# Altium PCB Napelemes_inverter.PcbDoc (part 1 of 3)
Units mil, origin at the board's own origin, x right, y up, seen from the top; angles counter-clockwise.
Board outline 11440 x 4760 mil, 2 copper layers (Top Layer, Bottom Layer); 247 components, 166 nets, 771 pads, 552 vias.
Unrouted connection lines stored in the file: 2.
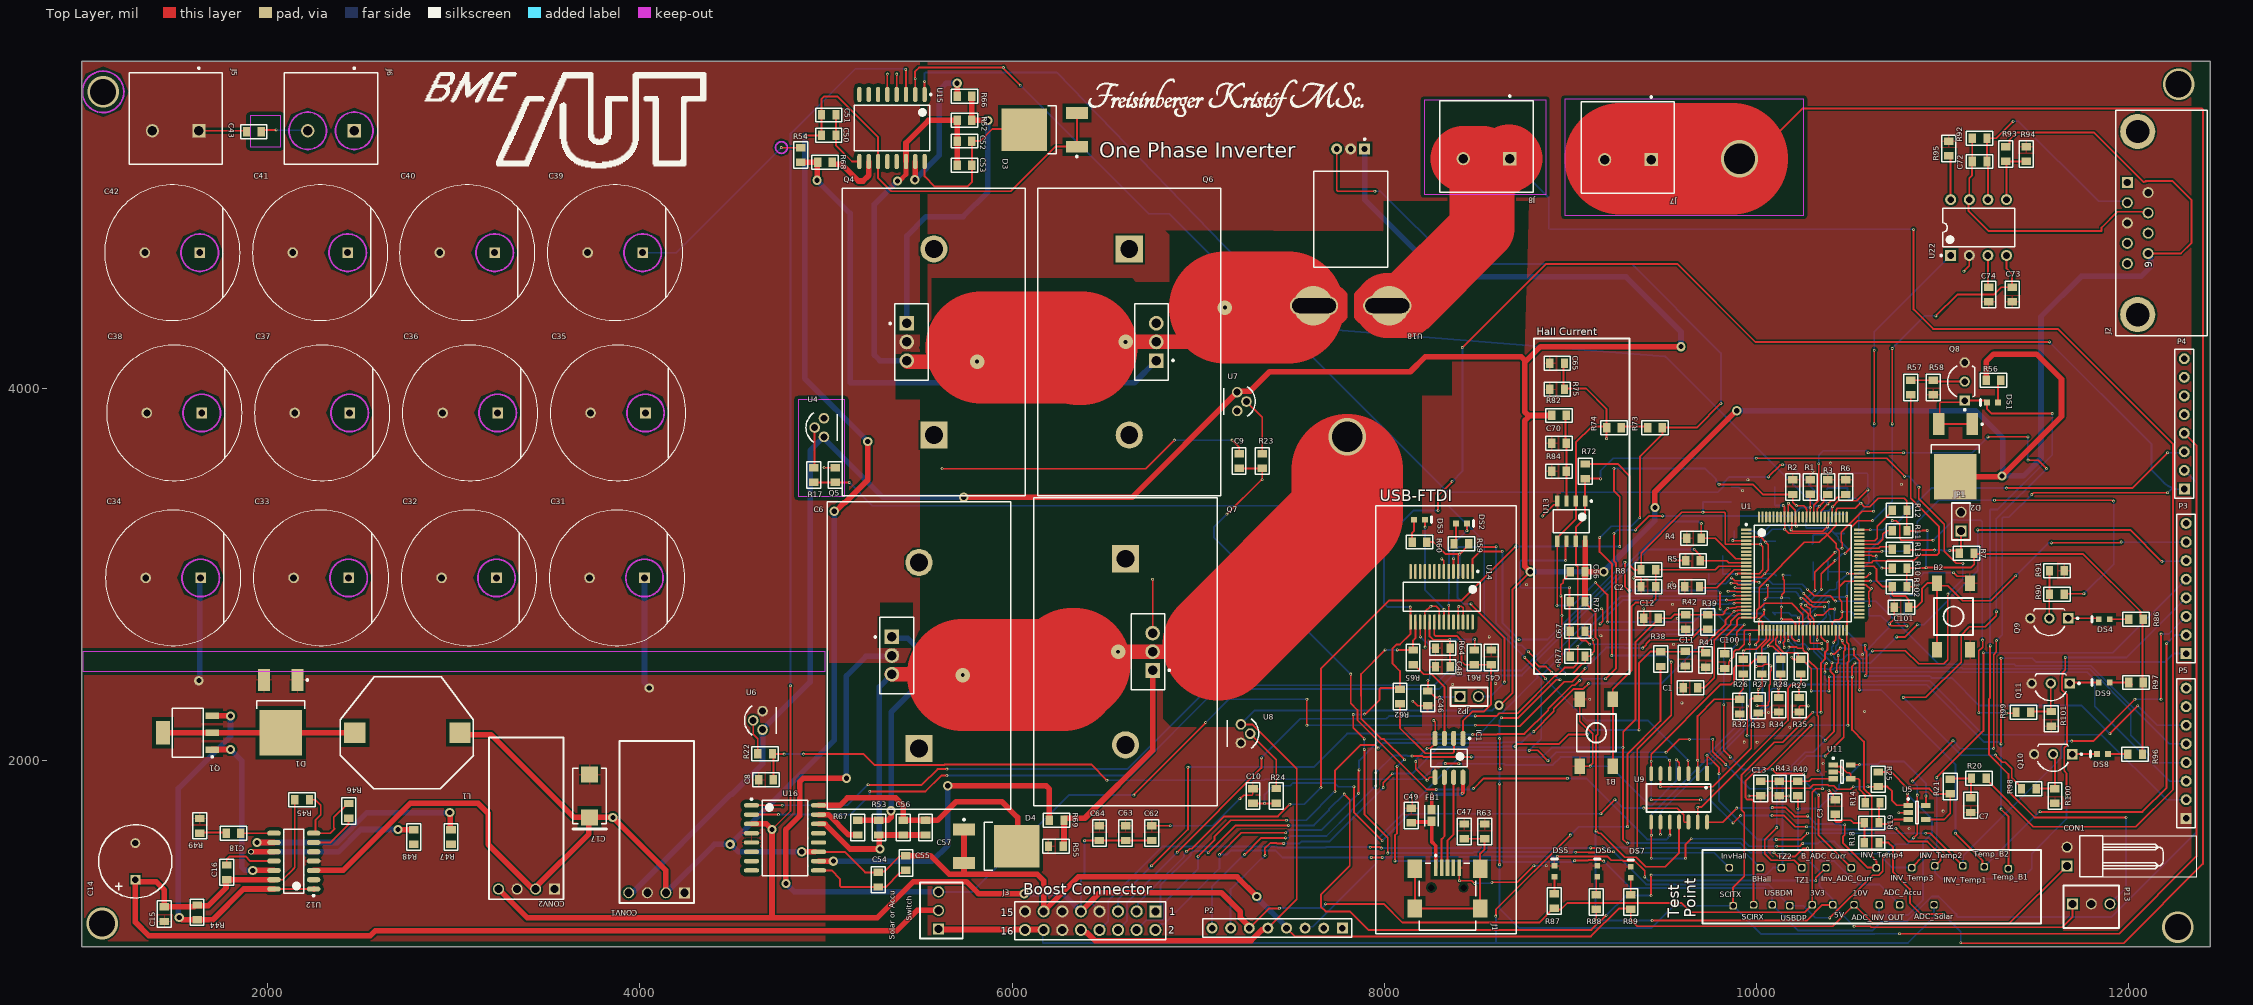
[diagram p0: Top Layer view]
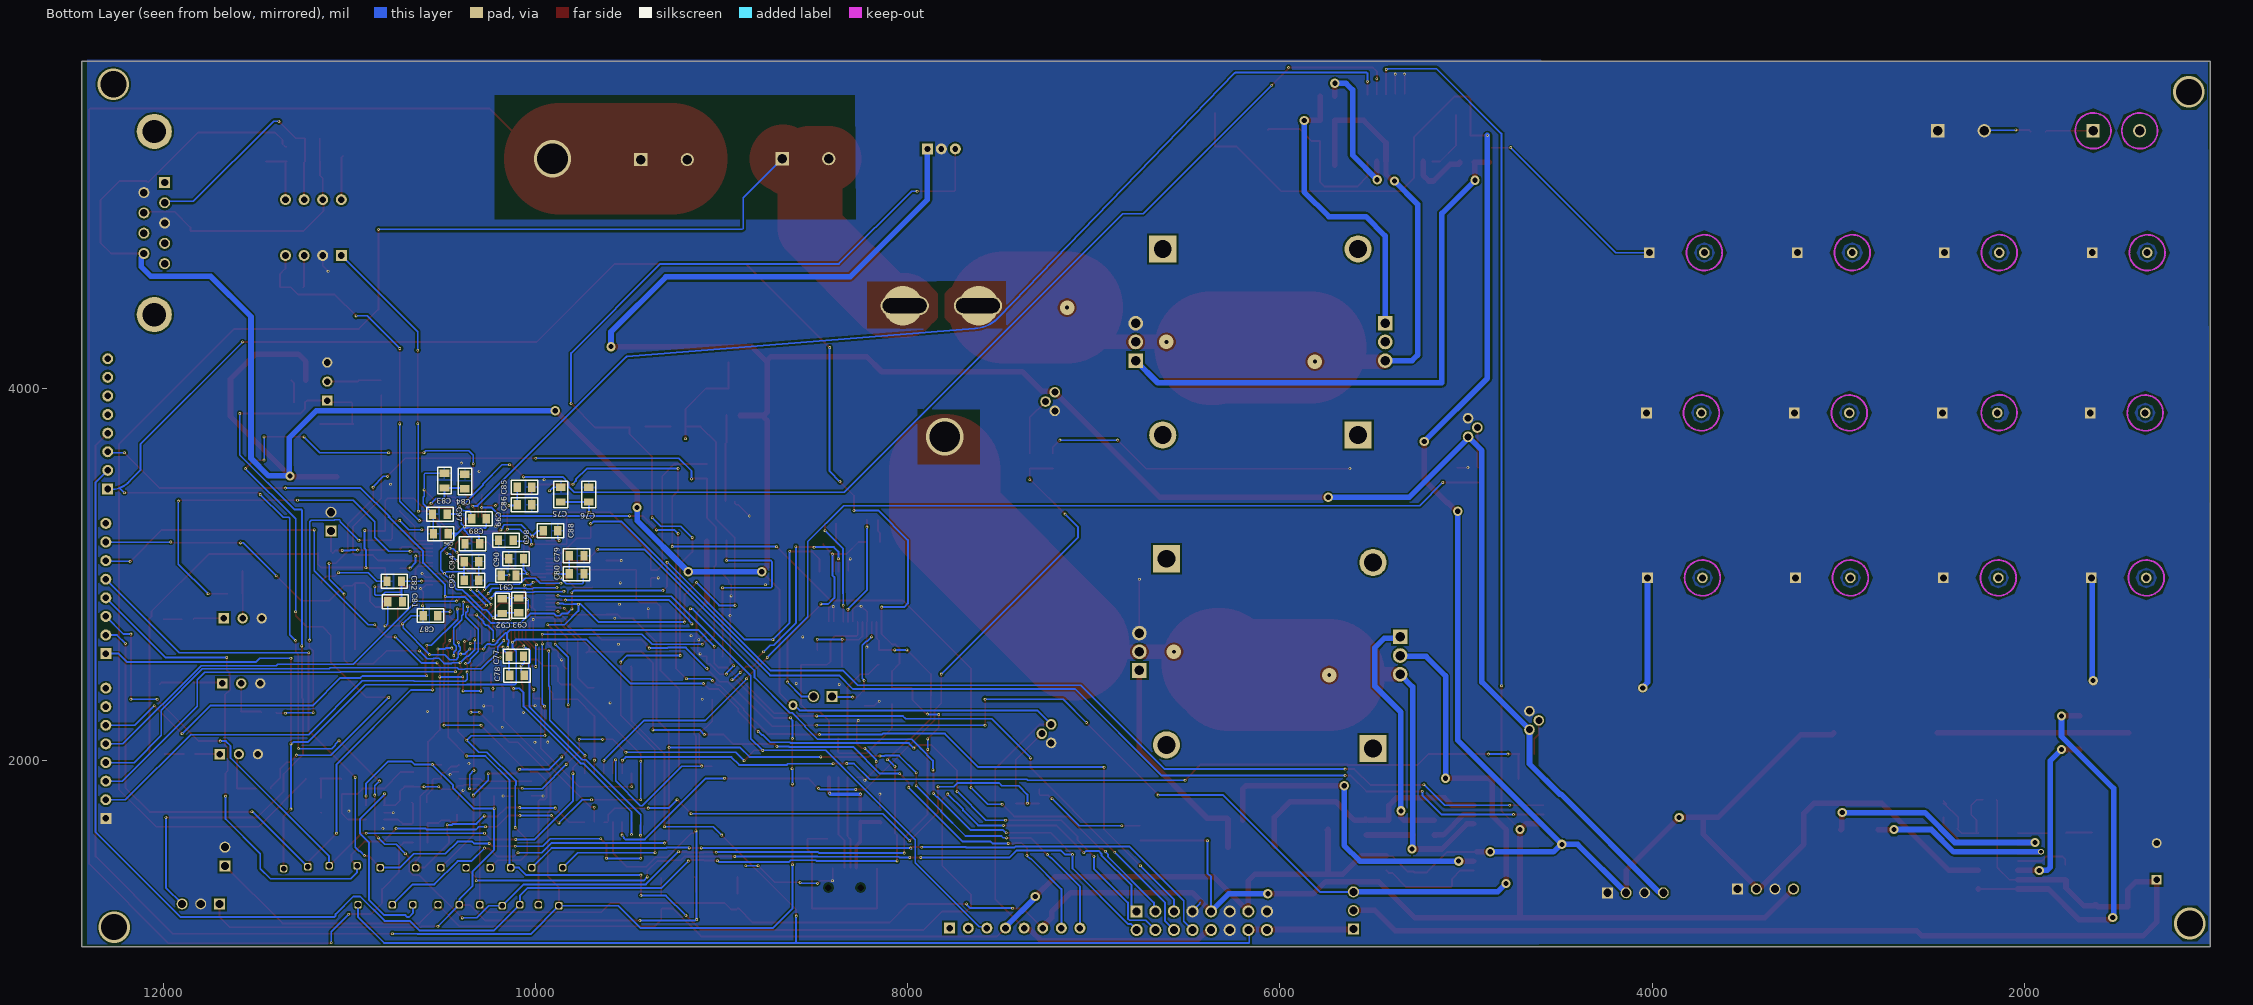
[diagram p1: Bottom Layer view, seen from below]
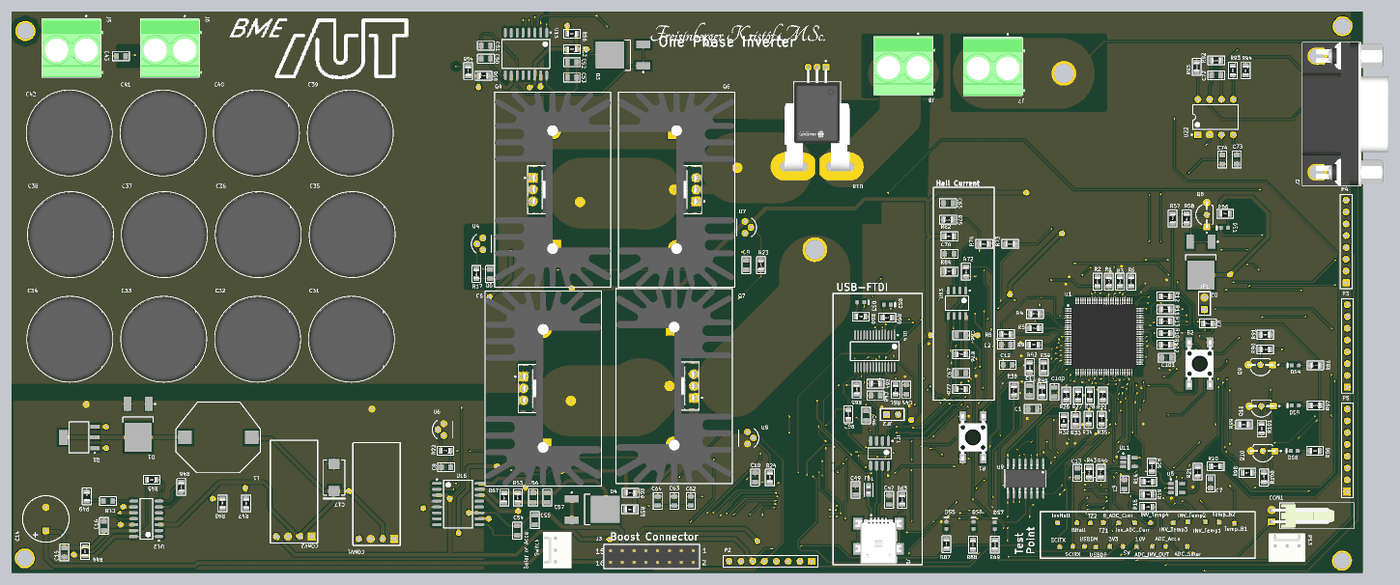
[diagram p4: 3D render of the assembled board from above, using the file's embedded part models]

## Layer stack, top to bottom
Top Solder: solder mask 0.4, Solder Resist, Dk 3.5
Top Layer: signal copper 1.4
Dielectric 1: dielectric 12.6, FR-4, Dk 4.8
Bottom Layer: signal copper 1.4
Bottom Solder: solder mask 0.4, Solder Resist, Dk 3.5

## Board outline
1000,1000 12440,1000 12440,5760 1000,5760

## Design rules (kind name [scope] priority, off if disabled: settings)
Clearance [All] p1: gap=10 ignorepadtopadclearanceinfootprint=FALSE except(0: Arc-Hole Track-Hole SMDPad-Hole THPad-Hole Via-Hole Fill-Hole Poly-Hole Region-Hole Text-Hole; 15: SMDPad-Poly; 20: Via-Region Fill-Poly; 30: Fill-Region Poly-Region)
HoleSize [All] p1: absolutevalues=TRUE maxlimit=500 minlimit=1 maxpercent=80.000 minpercent=20.000
HoleToHoleClearance [All] p1: gap=8 allowstackedmicrovias=TRUE
MinimumSolderMaskSliver [All] p1: minsoldermaskwidth=7
PlaneClearance [All] p1: clearance=40
PlaneConnect [All] p1: pad.planeconnectstyle=Relief pad.reliefexpansion=20 pad.reliefentries=4 pad.reliefconductorwidth=10 pad.reliefairgap=10 via.planeconnectstyle=Relief via.reliefexpansion=20 via.reliefentries=4 via.reliefconductorwidth=10 via.reliefairgap=20
PolygonConnect [All] p1: thpad.connectstyle=Direct thpad.reliefconductorwidth=10 thpad.reliefentries=4 thpad.polygonreliefangle="90 Angle" thpad.airgapwidth=10 smdpad.connectstyle=Relief smdpad.reliefconductorwidth=10 smdpad.reliefentries=4 smdpad.polygonreliefangle="90 Angle" smdpad.airgapwidth=10 via.connectstyle=Direct via.reliefconductorwidth=10 via.reliefentries=4 via.polygonreliefangle="90 Angle" via.airgapwidth=10
RoutingPriority [InNet('10V')] p1: routingpriority=3
RoutingTopology [All] p1: topology=Daisy_MidDriven
RoutingVias [All] p1: holewidth=10 width=20 viastyle="Through Hole" minholewidth=5 minwidth=10 maxholewidth=28 maxwidth=50
SilkToSilkClearance [All] p1: silktosilkclearance=7
SilkToSolderMaskClearance [IsPad] p1: minsilkscreentomaskgap=7 clearancetoexposedcopper=TRUE
SolderMaskExpansion [All] p1: expansion=4 istentingtop=FALSE
Width [All] p1: maxlimit=1000 minlimit=5 preferedwidth=10 bottomlayer_maxwidth=500 bottomlayer_prefwidth=8 minimp=50.000000 maximp=50.000000 favimp=50.000000
21 further rules are at their usual default settings.

## Classes and differential pairs
component class USB_and_FTDI: C45 C46 C47 C48 C49 DS2 DS3 FB1 IC1 J1 JP2 R59 R60 R61 R62 R63 R64 R65 U14
component class PowerSupply: C14 C15 C16 C17 C18 CONV1 CONV2 D1 L1 Q1 R44 R45 R46 R47 R48 R49 U12
component class Measurements: C3 C6 C7 C8 C9 C10 C11 C12 C13 R14 R17 R18 R19 R20 R21 R22 R23 R24 R25 R26 R27 R28 R29 R32 R33 R34 R35 R38 R39 R40 R41 R42 R43 U4 U5 U6 U7 U8 U9 U11
component class Inverter: C31 C32 C33 C34 C35 C36 C37 C38 C39 C40 C41 C42 C43 D2 DS1 J5 J6 J7 J8 P13 Q4 Q5 Q6 Q7 Q8 R52 R53 R54 R55 R56 R57 R58
component class Hall_sensor: C65 C66 C67 C70 R72 R73 R74 R75 R76 R77 R82 R84 U13 U18
component class Gate-Driver: C50 C51 C52 C53 C54 C55 C56 C57 C62 C63 C64 D3 D4 R66 R67 R68 R69 U15 U16
component class DSP: B1 B2 C1 C2 C101 J3 JP1 R1 R2 R3 R4 R5 R6 R7 R8 R9 R10 R11 R12 R13 R102 U1
component class DSP_Supply: C75 C76 C77 C78 C79 C80 C81 C82 C83 C84 C85 C86 C87 C88 C89 C90 C91 C92 C93 C94 C95 C96 C97 C98 C99 C100
component class Connectors: 3V3 5V 10V ADC_Accu ADC_INV_OUT ADC_Solar B_ADC_Curr BHall C72 C73 C74 CON1 DS4 DS5 DS6 DS7 DS8 DS9 Inv_ADC_Curr INV_Temp1 INV_Temp2 INV_Temp3 INV_Temp4 InvHall J2 P2 P3 P4 P5 Q9 Q10 Q11 R86 R87 R88 R89 R90 R91 R92 R93 R94 R95 R96 R97 R98 R99 R100 R101 SCIRX SCITX Temp_B1 Temp_B2 TZ1 TZ2 U22 USBDM USBDP
component class BoostConverter: F1

## Components (designator, comment, footprint, x,y, rotation, side; value= is the part's Value field where it differs from the comment)
3V3 "TestPoint" Test_Point#1 10300,1225 r90 top (schematic designator TP6)
5V "TestPoint" Test_Point#2 10410,1225 r90 top (schematic designator TP5)
10V "TestPoint" Test_Point#3 10525,1225 r90 top (schematic designator TP4)
ADC_Accu "TestPoint" Test_Point#4 10770,1225 r90 top (schematic designator TP2)
ADC_INV_OUT "TestPoint" Test_Point#5 10660,1225 r90 top (schematic designator TP3)
ADC_Solar "TestPoint" Test_Point#6 10955,1225 r90 top (schematic designator TP1)
B1 "Button" FP_BTN_SMD 9140,2150 r180 top
B2 "Button" FP_BTN_SMD 11060,2775 r0 top
B_ADC_Curr "TestPoint" Test_Point#7 10374.49,1425 r90 top (schematic designator TP18)
BHall "TestPoint" Test_Point#8 10020,1425 r90 top (schematic designator TP21)
C1 "100nF" FP_0805_CAP_085 9646,2391 r0 top
C2 "100nF" FP_0805_CAP_085 9420,2935 r0 top
C3 "2.2nF" FP_0805_CAP_085 10423,1750.63 r90 top
C6 "22uF" FP_0805_CAP_085 5050,3535 r270 top
C7 "2.2nF" FP_0805_CAP_085 11153,1760.63 r90 top
C8 "22uF" FP_0805_CAP_085 4677.91,1896.33 r0 top
C9 "22uF" FP_0805_CAP_085 7220,3610 r270 top
C10 "22uF" FP_0805_CAP_085 7295,1810 r270 top
C11 "2,2nF" FP_0805_CAP_085 9618,2548.37 r90 top
C12 "2,2nF" FP_0805_CAP_085 9434.38,2765.2 r0 top
C13 "2,2nF" FP_0805_CAP_085 10023,1850 r90 top
C14 "100 uF" NIC-UVR-10x12.5-2_V 1288.54,1458.54 r90 top
C15 "220nF" FP_0805_CAP_085 1445,1175 r90 top
C16 "220nF" FP_0805_CAP_085 1780,1400 r270 top
C17 "T491X107K020AT" KEMT-7343-43_L 3730,1810 r90 top
C18 "2.2nF" FP_0805_CAP_085 1815.63,1610 r0 top
C31 "330 uF" FP-LXW18X25-MFG 3877.05,2982.05 r180 top
C32 "330 uF" FP-LXW18X25-MFG 3082.05,2982.05 r180 top
C33 "330 uF" FP-LXW18X25-MFG 2287.05,2982.05 r180 top
C34 "330 uF" FP-LXW18X25-MFG 1492.05,2982.05 r180 top
C35 "330 uF" FP-LXW18X25-MFG 3882.87,3868.66 r180 top
C36 "330 uF" FP-LXW18X25-MFG 3087.87,3868.66 r180 top
C37 "330 uF" FP-LXW18X25-MFG 2292.87,3868.66 r180 top
C38 "330 uF" FP-LXW18X25-MFG 1497.87,3868.66 r180 top
C39 "330 uF" FP-LXW18X25-MFG 3867.05,4730 r180 top
C40 "330 uF" FP-LXW18X25-MFG 3072.05,4730 r180 top
C41 "330 uF" FP-LXW18X25-MFG 2282.05,4730 r180 top
C42 "330 uF" FP-LXW18X25-MFG 1487.05,4730 r180 top
C43 "220nF" FP_0805_CAP_085 1925,5380 r180 top
C45 "100nF" FP_0805_CAP_085 8575,2555 r270 top
C46 "100nF" FP_0805_CAP_085 8235,2335 r90 top
C47 "100nF" FP_0805_CAP_085 8430,1620 r270 top
C48 "100pF" FP_0805_CAP_085 8315,2505 r0 top
C49 "10nF" FP_0805_CAP_085 8145,1705 r270 top
C50 "100nF" FP_0805_CAP_085 5015,5360 r180 top
C51 "1uF" FP_0805_CAP_085 5015,5470 r180 top
C52 "100nF" FP_0805_CAP_085 5745,5330 r0 top
C53 "1uF" FP_0805_CAP_085 5745,5200 r0 top
C54 "100nF" FP_0805_CAP_085 5280,1360 r90 top
C55 "1uF" FP_0805_CAP_085 5430,1450 r90 top
C56 "100nF" FP_0805_CAP_085 5415,1640 r90 top
C57 "1uF" FP_0805_CAP_085 5535,1640 r90 top
C62 "100nF" FP_0805_CAP_085 6750,1610.63 r270 top
C63 "100nF" FP_0805_CAP_085 6610,1610.63 r270 top
C64 "100nF" FP_0805_CAP_085 6470,1610.63 r270 top
C65 "1nF" FP_0805_CAP_085 8930,4135 r180 top
C66 "100nF" FP_0805_CAP_085 9040,3015 r180 top
C67 "100nF" FP_0805_CAP_085 9040,2695 r0 top
C70 "100nF" FP_0805_CAP_085 8940,3705 r180 top
C72 "100pF" FP_0805_CAP_085 11200,5220 r180 top
C73 "30pF" FP_0805_CAP_085 11375,4505 r90 top
C74 "100nF" FP_0805_CAP_085 11250,4505 r90 top
C75 "2.2uF" FP_0805_CAP_085 9865,3429.37 r270 bottom
C76 "100nF" FP_0805_CAP_085 9715,3429.37 r270 bottom
C77 "2.2uF" FP_0805_CAP_085 10104.37,2560 r0 bottom
C78 "100nF" FP_0805_CAP_085 10100,2460 r0 bottom
C79 "2.2uF" FP_0805_CAP_085 9780,3101 r0 bottom
C80 "100nF" FP_0805_CAP_085 9780,3005 r0 bottom
C81 "2.2uF" FP_0805_CAP_085 10755,2855 r180 bottom
C82 "100nF" FP_0805_CAP_085 10760,2964 r180 bottom
C83 "2.2uF" FP_0805_CAP_085 10490,3505 r270 bottom
C84 "100nF" FP_0805_CAP_085 10380,3500 r270 bottom
C85 "2.2uF" FP_0805_CAP_085 10060,3470 r0 bottom
C86 "100nF" FP_0805_CAP_085 10060,3375 r0 bottom
C87 "100nF" FP_0805_CAP_085 10565,2780 r180 bottom
C88 "1uF" FP_0805_CAP_085 9920,3235 r0 bottom
C89 "100nF" FP_0805_CAP_085 10160,3185 r180 bottom
C90 "1uF" FP_0805_CAP_085 10105,3085 r180 bottom
C91 "100nF" FP_0805_CAP_085 10145,2995 r180 bottom
C92 "1uF" FP_0805_CAP_085 10180,2830 r270 bottom
C93 "100nF" FP_0805_CAP_085 10090,2835 r270 bottom
C94 "1uF" FP_0805_CAP_085 10345,3070 r0 bottom
C95 "100nF" FP_0805_CAP_085 10345,2970 r0 bottom
C96 "1uF" FP_0805_CAP_085 10510,3220 r180 bottom
C97 "100nF" FP_0805_CAP_085 10515,3325 r180 bottom
C98 "1uF" FP_0805_CAP_085 10340,3165 r180 bottom
C99 "100nF" FP_0805_CAP_085 10305,3300 r180 bottom
C100 "100nF" FP_0805_CAP_085 9830,2534.37 r90 top
C101 "100nF" FP_0805_CAP_085 10780,2825 r0 top
CON1 "Connector" FP_CONN2_TAP_254MM_90 11670,1435 r0 top
CONV1 "Buck_STDN-3A" Buck_STDN-3A24-ADJ 4085,1290 r90 top
CONV2 "Buck_STDN-3A" Buck_STDN-3A24-ADJ 3385,1310 r90 top
D1 "MBRD360T4G" ONSC-DPAK-3-369C-01_V 2070,2260 r270 top
D2 "MBRD360T4G" ONSC-DPAK-3-369C-01_V 11070,3635.24 r270 top
D3 "MBRD360T4G" ONSC-DPAK-3-369C-01_V 6175.24,5390 r180 top
D4 "MBRD360T4G" ONSC-DPAK-3-369C-01_V 5915,1540 r0 top
DS1 "HSMG-C190" AVAG-HSMX-C190_V 11270,3925 r180 top
DS2 "HSMG-C190" AVAG-HSMX-C190_V 8415,3275 r0 top
DS3 "RED-HSMS-C190" AVAG-HSMX-C190_V 8190,3295 r0 top
DS4 "RED-HSMS-C190" AVAG-HSMX-C190_V 11869.57,2760 r180 top
DS5 "HSMG-C190" AVAG-HSMX-C190_V 8915,1405.43 r90 top
DS6 "HSMG-C190" AVAG-HSMX-C190_V 9145,1405.43 r90 top
DS7 "HSMG-C190" AVAG-HSMX-C190_V 9325,1400.43 r90 top
DS8 "RED-HSMS-C190" AVAG-HSMX-C190_V 11860,2035 r180 top
DS9 "RED-HSMS-C190" AVAG-HSMX-C190_V 11869.53,2420 r180 top
FB1 "BLM18SG221TN1D" FP-BLM18-0_15-t0_5-IPC_A 8255,1704.45 r270 top
IC1 "USB6B1" "INF-P-DSO-8-3_M - duplicate1" 8348.52,2015 r270 top
Inv_ADC_Curr "TestPoint" Test_Point#9 10510,1425 r90 top (schematic designator TP17)
INV_Temp1 "TestPoint" Test_Point#10 11110,1435 r90 top (schematic designator TP13)
INV_Temp2 "TestPoint" Test_Point#11 10960,1435 r90 top (schematic designator TP14)
INV_Temp3 "TestPoint" Test_Point#12 10835,1425 r90 top (schematic designator TP15)
INV_Temp4 "TestPoint" Test_Point#13 10645,1425 r90 top (schematic designator TP16)
InvHall "TestPoint" Test_Point#14 9855,1425 r90 top (schematic designator TP23)
J1 "USB_MIN" FCI-10033526-N3212LF_V 8340.2,1314.74 r0 top
J2 "618009231121" 618009231121 12177.65,4889.19 r90 top
J3 "61301621121" 61301621121 6420,1140 r180 top
J5 "1714955" Terminal-PHOE-1714955_V 1505,5385 r180 top
J6 "1714955" Terminal-PHOE-1714955_V 2340,5385 r180 top
J7 "1714955" Terminal-PHOE-1714955_V 9310,5230 r180 top
J8 "1714955" Terminal-PHOE-1714955_V 8550,5235 r180 top
JP1 "JUMPER" FP_CONN2_TUSKE_254MM 11100,3235 r0 top
JP2 "JUMPER" FP_CONN2_TUSKE_254MM 8406.52,2344 r270 top
L1 "47 uH/2.6 A" "Tekercs_B82479-A1473-M - duplicate" 2750,2150 r0 top
P2 "Header 8" HDR1X8 7775,1100 r180 top
P3 "Header 8" HDR1X8 12310,2575 r90 top
P4 "Header 8" HDR1X8 12300,3460 r90 top
P5 "Header 8" HDR1X8 12310,1690 r90 top
P13 "Connector" FP_CONN3_TAP_254MM 11700,1230 r270 top
Q1 "BSP613P" INF-PG-SOT223_SC-73_M 1570,2150 r180 top
Q4 "PSMN8R5-100PS" FP-TO-220AB-MFG 5460,4250 r0 top
Q5 "PSMN8R5-100PS" FP-TO-220AB-MFG 5380,2565 r0 top
Q6 "PSMN8R5-100PS" FP-TO-220AB-MFG 6750,4250 r180 top
Q7 "PSMN8R5-100PS" FP-TO-220AB-MFG 6730,2585 r180 top
Q8 "BC548BRL1G" ONSC-TO-92-3-29-11_AM_BL 11120,4037.36 r90 top
Q9 "BC548B" ONSC-TO-92-3-29-11_AM_BL 11574.57,2765 r180 top
Q10 "BC548B" ONSC-TO-92-3-29-11_AM_BL 11595,2035 r180 top
Q11 "BC548B" ONSC-TO-92-3-29-11_AM_BL 11582.64,2415 r180 top
R1 "4.7K" FP_0805_RES 10290,3470.43 r90 top
R2 "4.7K" FP_0805_RES 10195,3470 r270 top
R3 "4.7K" FP_0805_RES 10385,3470 r270 top
R4 "4.7K" FP_0805_RES 9665,3195 r0 top
R5 "4.7K" FP_0805_RES 9660,3075 r0 top
R6 "4.7K" FP_0805_RES 10480,3470 r270 top
R7 "4.7K" FP_0805_RES 11130,3115 r0 top
R8 "1K" FP_0805_RES 9420,3025 r180 top
R9 "2.2K" FP_0805_RES 9655,2935 r0 top
R10 "4.7K" FP_0805_RES 10770,3035 r0 top
R11 "4.7K" FP_0805_RES 10770,3235 r0 top
R12 "4.7K" FP_0805_RES 10770,3345 r0 top
R13 "100" FP_0805_RES 10770,3135 r0 top
R14 "680" FP_0805_RES 10625,1775 r180 top
R17 "10K" FP_0805_RES 4935,3535 r270 top
R18 "10K" FP_0805_RES 10620,1560 r180 top
R19 "10K" FP_0805_RES 10620,1665 r0 top
R20 "10K" FP_0805_RES 11196.07,1904.71 r180 top
R21 "10K" FP_0805_RES 11042.37,1860.63 r270 top
R22 "10K" FP_0805_RES 4672.91,2036.33 r0 top
R23 "10K" FP_0805_RES 7344.38,3610.2 r270 top
R24 "10K" FP_0805_RES 7420,1810.63 r270 top
R25 "680" FP_0805_RES 10655,1900 r270 top
R26 "10K" FP_0805_RES 9930,2505 r270 top
R27 "10K" FP_0805_RES 10030,2505 r270 top
R28 "10K" FP_0805_RES 10130,2505 r270 top
R29 "10K" FP_0805_RES 10240,2505 r270 top
R32 "10K" FP_0805_RES 9910,2290.43 r90 top
R33 "10K" FP_0805_RES 10010,2295 r90 top
R34 "10K" FP_0805_RES 10120,2300.43 r90 top
R35 "10K" FP_0805_RES 10230,2300.43 r90 top
R38 "120K" FP_0805_RES 9486.99,2545.8 r270 top
R39 "220K" FP_0805_RES 9740,2745 r270 top
R40 "20K" FP_0805_RES 10223,1850 r270 top
R41 "10K" FP_0805_RES 9727,2541.37 r90 top
R42 "10K" FP_0805_RES 9620,2745 r90 top
R43 "10K" FP_0805_RES 10123,1850 r90 top
R44 "47m" FP_0805_RES 1620,1185 r90 top
R45 "400K" FP_0805_RES 2185,1790 r180 top
R46 "100K" FP_0805_RES 2435,1730 r90 top
R47 "20K" FP_0805_RES 2985,1590 r270 top
R48 "20K" FP_0805_RES 2785,1590 r270 top
R49 "680" FP_0805_RES 1635,1650 r270 top
R52 "3.3K" FP_0805_RES 5744.37,5440.68 r0 top
R53 "3.3K" FP_0805_RES 5285,1640 r90 top
R54 "3.3K" FP_0805_RES 4865,5255 r270 top
R55 "3.3K" FP_0805_RES 6235.63,1540 r0 top
R56 "1K" FP_0805_RES 11274.57,4045 r180 top
R57 "1K" FP_0805_RES 10830,4005 r90 top
R58 "1K" FP_0805_RES 10950,4005 r90 top
R59 "470" FP_0805_RES 8415,3165 r0 top
R60 "470" FP_0805_RES 8190,3175 r0 top
R61 "4.7K" FP_0805_RES 8485,2555 r270 top
R62 "330R" FP_0805_RES 8085,2345 r270 top
R63 "1K" FP_0805_RES 8540,1620 r270 top
R64 "10K" FP_0805_RES 8315,2605 r0 top
R65 "330R" FP_0805_RES 8155,2555 r270 top
R66 "1.8" FP_0805_RES 5744.37,5570 r0 top
R67 "1.8" FP_0805_RES 5170,1640 r90 top
R68 "1.8" FP_0805_RES 4995,5215 r180 top
R69 "1.8" FP_0805_RES 6240,1680 r0 top
R72 "3K" FP_0805_RES 9080,3555 r90 top
R73 "220" FP_0805_RES 9455.43,3790.01 r180 top
R74 "10K" FP_0805_RES 9235,3790 r180 top
R75 "20K" FP_0805_RES 8930,3995 r0 top
R76 "10K" FP_0805_RES 9040,2855 r180 top
R77 "400" FP_0805_RES 9040,2560 r0 top
R82 "10K" FP_0805_RES 8940,3855 r0 top
R84 "20K" FP_0805_RES 8940,3555 r180 top
R86 "680R" FP_0805_RES 12040,2760 r0 top
R87 "680R" FP_0805_RES 8915,1245.63 r270 top
R88 "1K" FP_0805_RES 9140,1240 r270 top
R89 "2,2K" FP_0805_RES 9325,1240 r270 top
R90 "1K" FP_0805_RES 11615,2895 r180 top
R91 "1K" FP_0805_RES 11615,3020 r180 top
R92 "120" FP_0805_RES 11200,5345 r180 top
R93 "10K" FP_0805_RES 11340,5260 r90 top
R94 "10K" FP_0805_RES 11450,5260.63 r270 top
R95 "10K" FP_0805_RES 11035,5290 r270 top